# KiCad board BV1.2.kicad_pcb (continued)
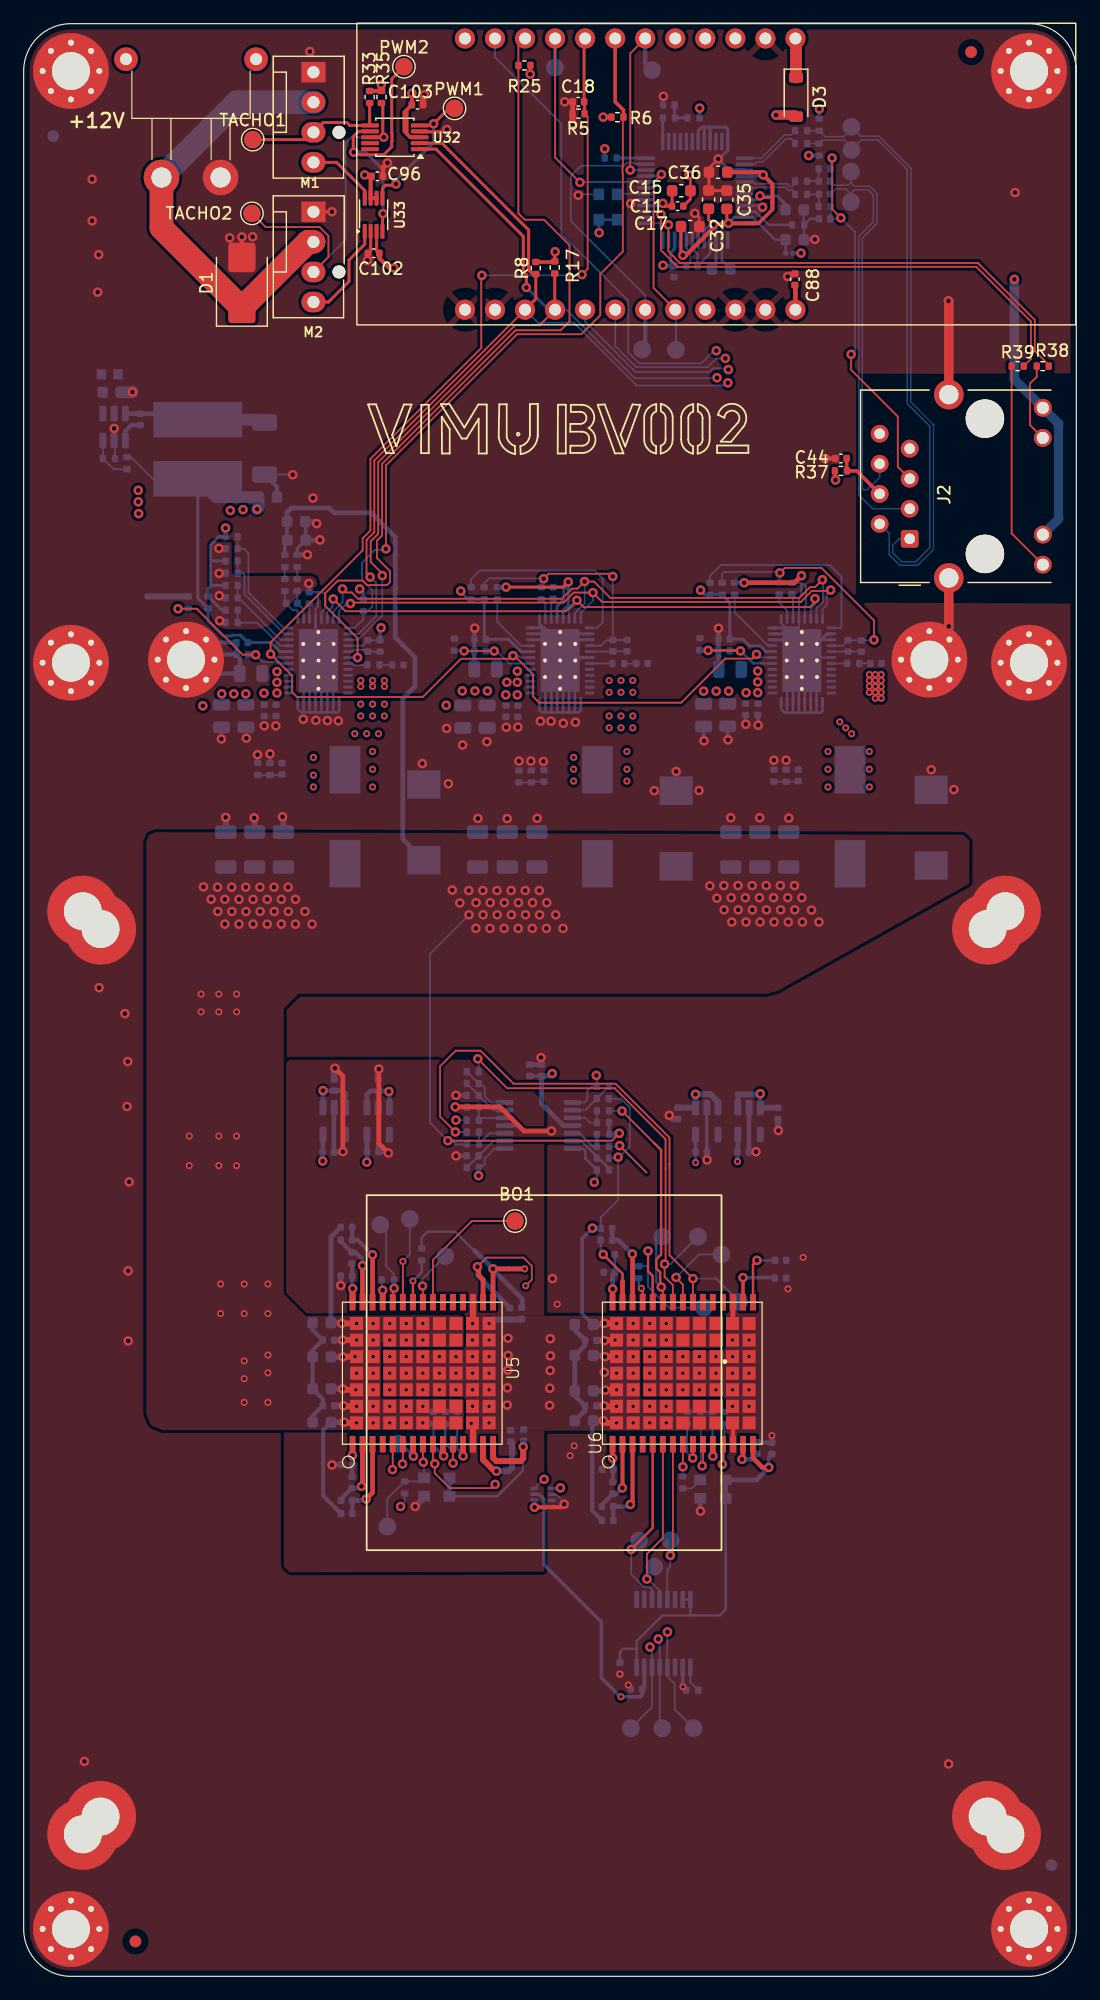
[diagram p0: board, top side]
## Library data of the parts (continued)
D3 = -: Sim.Device: D; Sim.Pins: 1=K 2=A; Distributor: D; OrderNr: 31-1N5819HWQ-7-FCT-ND; PARTNO: 1N5819HWQ-7-F; Manufacturer : Diodes Incorporated; ki_fp_filters: D*SMA*
FID1-FID4 = -: KiLib_Generator: fiducial
H1-H8 = -: Description: Mounting Hole with connection; ki_fp_filters: MountingHole*Pad*
J1 = -: PARTNO: XT30PW-M; LCSC: C431092; ki_fp_filters: Connector*:*_1x??_*
J2 = -: Datasheet: https://datasheet.lcsc.com/lcsc/1811141815_HANRUN-Zhongshan-HanRun-Elec-HR911105A_C12074.pdf; Description: 1 Port RJ45 Magjack Connector Through Hole 10/100 Base-T, AutoMDIX; ki_fp_filters: RJ45*Hanrun*HR911105A*
L4 L6 L7 = -: Datasheet: https://products.sumida.com/products/pdf/104CDMCCDS.pdf; Description: Inductor; PARTNO: SLC1175-301; ki_fp_filters: Choke_* *Coil* Inductor_* L_*
L5 = -: Datasheet: https://assets.ebee.com/datasheet/2512101426_cjiang-FTC201612S1R5MBCA_C5832350.pdf; Description: Inductor; PARTNO: FTC201612S1R5MBCA; ki_fp_filters: Choke_* *Coil* Inductor_* L_*
M1 M2 = -: Distributor: D; OrderNr: WM4330-ND; PARTNO: 0470531000; ki_fp_filters: FanPinHeader*P2.54mm*Vertical* PinHeader*P2.54mm*Vertical* TerminalBlock*
NT3-NT5 = -: Description: Net tie, 2 pins; ki_fp_filters: Net*Tie*
R4 R7 R12 R16 R19-R22 R26 R28 R32 R34 R36-R39 R43 R44 R47 R76 R77 R93 = -: Description: Resistor, US symbol; KiLib_Generator: SMD_2terminal_chip_molded; PARTNO: RC0402FR-071KL; LCSC: C106235; ki_fp_filters: R_*
R5 R6 R24 R41 R42 R48-R52 = -: Datasheet: https://www.yageo.com/upload/media/product/products/datasheet/rchip/PYu-RC_Group_51_RoHS_L_12.pdf; Description: Resistor, small US symbol; KiLib_Generator: SMD_2terminal_chip_molded; PARTNO: RC0402JR-0710KL; DK: 311-10KJRCT-ND; ki_fp_filters: R_*
R8 R17 = -: Description: Resistor; KiLib_Generator: SMD_2terminal_chip_molded; ki_fp_filters: R_*
R9 R11 = -: Description: Resistor, US symbol; KiLib_Generator: SMD_2terminal_chip_molded; LCSC: C60488; PARTNO: RC0402FR-072KL; ki_fp_filters: R_*
R13 R14 = -: Description: Resistor, small US symbol; KiLib_Generator: SMD_2terminal_chip_molded; PARTNO: RC0402FR-0752K3L; ki_fp_filters: R_*
R23 = -: Description: Resistor, small US symbol; KiLib_Generator: SMD_2terminal_chip_molded; PARTNO: RC0402FR-0720KL; DK: 311-20.0KLRCT-ND; ki_fp_filters: R_*
R25 = -: Description: Resistor, small US symbol; KiLib_Generator: SMD_2terminal_chip_molded; PARTNO: RC0402JR-074K7L; DK: 311-4.7KJRCT-ND; ki_fp_filters: R_*
R29-R31 R40 R53 R82 R85 R87 R90 R91 R96 R98 = -: Description: Resistor, US symbol; KiLib_Generator: SMD_2terminal_chip_molded; PARTNO: RC0402DR-0710KL; LCSC: C471764; ki_fp_filters: R_*
R33 R35 = -: KiLib_Generator: SMD_2terminal_chip_molded; Manufacturer : YAGEO; LCSC: C138017; PARTNO: RC0402FR-072K7L; ki_fp_filters: R_*
R46 R67 = -: Description: Resistor, US symbol; KiLib_Generator: SMD_2terminal_chip_molded; PARTNO: RC0402JR-070RL; ki_fp_filters: R_*
R54 R73 R78 R83 R84 R86 R92 R95 R97 = -: Datasheet: https://www.yageo.com/upload/media/product/products/datasheet/rchip/PYu-RC_Group_51_RoHS_L_12.pdf; Description: Resistor, small US symbol; KiLib_Generator: SMD_2terminal_chip_molded; PARTNO: RC0402FR-0710RL; DK: 311-10.0LRCT-ND; ki_fp_filters: R_*
R55 R58 R61 R64 R68-R72 = -: KiLib_Generator: SMD_2terminal_chip_molded; DK: 311-1.00KLRCT-ND; PARTNO: RC0402FR-071KL; ki_fp_filters: R_*
R56 R57 R59 R60 R62 R63 R65 R66 = -: KiLib_Generator: SMD_2terminal_chip_molded; DK: 311-10KJRCT-ND; PARTNO: RC0402JR-0710KL; ki_fp_filters: R_*
R79-R81 R88 R89 R94 = -: Datasheet: https://www.yageo.com/upload/media/product/products/datasheet/rchip/PYu-RC_Group_51_RoHS_L_12.pdf; Description: Resistor, small US symbol; KiLib_Generator: SMD_2terminal_chip_molded; PARTNO: RC0402FR-0749R9L; DK: 311-49.9LRCT-ND; ki_fp_filters: R_*
U1 = -: Distributor: -
U2 U8 U9 = -: Distributor: D; OrderNr: 1923-1664-1-ND; PARTNO: SX3M25.000E20F30THN; ki_fp_filters: Oscillator*SMD*Abracon*ASDMB*2.5x2.0mm*
U7 = -: Datasheet: https://www.ti.com/lit/ds/symlink/sn74axc4t774.pdf; KiLib_Generator: package/gullwing; DK: 296-SN74AXC4T774BQBRCT-ND; PARTNO: SN74AXC4T774BQBR
U10 U11 = -: Datasheet: https://ww1.microchip.com/downloads/en/DeviceDoc/22070a.pdf; KiLib_Generator: package/gullwing; DK: MCP1824T-1202E/OTCT-ND
U12 U13 = -: Datasheet: https://ww1.microchip.com/downloads/en/DeviceDoc/22070a.pdf; KiLib_Generator: package/gullwing; DK: MCP1824T-0802E/OTCT-ND; PARTNO: MCP1824T-0802E/OT
U14 = -: KiLib_Generator: package/gullwing
U15 = -: Datasheet: http://wizwiki.net/wiki/lib/exe/fetch.php/products:w5500:w5500_ds_v109e.pdf; Description: 10/100Mb SPI Ethernet controller with TCP/IP stack, LQFP-48; KiLib_Generator: package/gullwing; ki_fp_filters: LQFP*7x7mm*P0.5mm*
U17 = -: Datasheet: https://www.ti.com/lit/ds/symlink/tlv3542.pdf; KiLib_Generator: package/gullwing; DK: 296-45352-1-ND; PARTNO: TLV3544IPWR; ki_fp_filters: SOT*353*SC*70*
U18-U20 = -: DK: 296-TPS546D24ARVFRCT-ND; PARTNO: TPS546D24ARVFR
U30 = -: Distributor: X
U32 = -: KiLib_Generator: Microchip; Distributor: D; OrderNr: EMC2302-1-AIZL-CT-ND; PARTNO: EMC2302-1-AIZL-TR; Manufacturer : Microchip Tech; Field7: Microchip
U33 = -: KiLib_Generator: Texas Instruments; Distributor: D; OrderNr: 296-TXU0102DCURCT-ND; PARTNO: TXU0102DCUR; Manufacturer : Texas Instruments
U37 = -: Distributor: D; Manufacturer: TMP1075NDRLR; OrderNr: 296-TMP1075NDRLRCT-ND; PARTNO: TMP1075NDRLR; Manufacturer : Texas Instruments

## Footprints (pads in the part's own frame, mm; a bottom-side part is the same pattern mirrored in y, then rotated)
B1373CC
  rect 1.4x0.5 smd: 1(-0.097,-0.955) 2(-0.104,-1.799) 3(-0.104,-2.648) 4(-0.1,-3.506) 5(-0.1,-4.355) 6(-0.1,-5.212) 7(-0.1,-6.061) 8(-0.1,-6.905) 9(-0.1,-7.754) 10(-0.1,-8.6) 11(-0.1,-9.44) 12(-0.1,-10.3) 13(-0.1,-11.145) 14(-0.1,-11.99) 15(-0.1,-12.835) 16(11.9,-12.835) 17(11.9,-11.99) 18(11.9,-11.145) 19(11.9,-10.3) 20(11.9,-9.44) 21(11.9,-8.6) 22(11.9,-7.754) 23(11.9,-6.905) 24(11.9,-6.061) 25(11.9,-5.212) 26(11.9,-4.355) 27(11.9,-3.506) 28(11.896,-2.648) 29(11.896,-1.799) 30(11.903,-0.955)
  rect 1.1x1.1 smd: 31(1.7,-1.298) 31(1.7,-2.7) 31(1.7,-4.1) 31(1.7,-5.5) 31(1.7,-6.9) 31(1.7,-8.3) 31(1.7,-9.7) 31(3.1,-1.298) 31(3.1,-2.7) 31(3.1,-4.1) 31(3.1,-5.5) 31(3.1,-6.9) 31(3.1,-8.3) 31(3.1,-9.7) 31(4.5,-1.298) 31(4.5,-2.7) 31(5.9,-1.298) 31(5.9,-2.7) 31(7.3,-1.298) 31(7.3,-2.7) 31(8.7,-1.298) 31(8.7,-2.7) 31(8.7,-4.1) 31(8.7,-5.5) 31(8.7,-6.9) 31(8.7,-8.3) 31(8.7,-9.7) 31(10.1,-1.298) 31(10.1,-2.7) 31(10.1,-4.1) 31(10.1,-5.5) 31(10.1,-6.9) 31(10.1,-8.3) 31(10.1,-9.7) 32(1.7,-11.1) 32(1.7,-12.5) 32(3.1,-11.1) 32(3.1,-12.5) 32(4.5,-4.1) 32(4.5,-5.5) 32(4.5,-6.9) 32(4.5,-8.3) 32(4.5,-9.7) 32(4.5,-11.1) 32(4.5,-12.5) 32(5.9,-4.1) 32(5.9,-5.5) 32(5.9,-6.9) 32(5.9,-8.3) 32(5.9,-9.7) 32(5.9,-11.1) 32(5.9,-12.5) 32(7.3,-4.1) 32(7.3,-5.5) 32(7.3,-6.9) 32(7.3,-8.3) 32(7.3,-9.7) 32(7.3,-11.1) 32(7.3,-12.5) 32(8.7,-11.1) 32(8.7,-12.5) 32(10.1,-11.1) 32(10.1,-12.5)
C_0402_1005Metric
  rrect 0.56x0.62 smd: 1(-0.48,0) 2(0.48,0)
C_0603_1608Metric
  rrect 0.9x0.95 smd: 1(-0.775,0) 2(0.775,0)
C_0805_2012Metric
  rrect 1x1.45 smd: 1(-0.95,0) 2(0.95,0)
C_1206_3216Metric
  rrect 1.15x1.8 smd: 1(-1.475,0) 2(1.475,0)
D7.3xL4.3
  rect 2.4x2.8 smd: 1(0,0) 2(6.4,0)
D_0201_0603Metric
  rrect 0.318x0.36 smd: (-0.345,0) (0.345,0)
  rrect 0.46x0.4 smd: 1(-0.32,0) 2(0.32,0)
D_SMB
  rrect 2.5x2.3 smd: 1(-2.15,0) 2(2.15,0)
D_SOD-123
  rrect 0.9x1.2 smd: 1(-1.65,0) 2(1.65,0)
D_SOD-128
  rrect 1.4x2.1 smd: 1(-2.2,0) 2(2.2,0)
FanPinHeader_1x04_P2.54mm_Vertical
  round 1.1 hole 1.1 unplated: (5.08,2.16)
  rect 1.73x2.03 hole 1.02: 1(0,0)
  oval 1.73x2.03 hole 1.02: 2(2.54,0) 3(5.08,0) 4(7.62,0)
FB0603
  rect 0.8x0.864 smd: 1(-0.7,0) 2(0.7,0)
Fiducial_1mm_Mask2mm
  round 1 smd: (0,0)
L_Ferrocore_DLG-0703
  rect 3x7.5 smd: 1(-2.5,0) 2(2.5,0)
LQFN40-CLIP
  rrect 1.3x0.9 smd: (-0.9,-2.1) (-0.9,2.1) (0.9,-2.1) (0.9,2.1)
  rrect 1.4x0.95 smd: (-0.85,-0.7) (-0.85,0.7) (0.85,-0.7) (0.85,0.7)
  rrect 0.8x0.25 smd: 1(-2.5,2.75) 2(-2.5,2.25) 3(-2.5,1.75) 4(-2.5,1.25) 5(-2.5,0.75) 6(-2.5,0.25) 7(-2.5,-0.25) 8(-2.5,-0.75) 9(-2.5,-1.25) 10(-2.5,-1.75) 11(-2.5,-2.25) 12(-2.5,-2.75) 21(2.5,-2.75) 22(2.5,-2.25) 23(2.5,-1.75) 24(2.5,-1.25) 25(2.5,-0.75) 26(2.5,-0.25) 27(2.5,0.25) 28(2.5,0.75) 29(2.5,1.25) 30(2.5,1.75) 31(2.5,2.25) 32(2.5,2.75)
  rrect 0.25x0.8 smd: 13(-1.75,-3.5) 14(-1.25,-3.5) 15(-0.75,-3.5) 16(-0.25,-3.5) 17(0.25,-3.5) 18(0.75,-3.5) 19(1.25,-3.5) 20(1.75,-3.5) 33(1.75,3.5) 34(1.25,3.5) 35(0.75,3.5) 36(0.25,3.5) 37(-0.25,3.5) 38(-0.75,3.5) 39(-1.25,3.5) 40(-1.75,3.5)
  round 0.4 hole 0.3: 41(-1.28,-1.4) 41(-1.28,0) 41(-1.28,1.4) 41(0,-2.4) 41(0,-1.4) 41(0,0) 41(0,1.4) 41(0,2.4) 41(1.28,-1.4) 41(1.28,0) 41(1.28,1.4)
  rect 3.3x5.3 smd: 41(0,0)
LQFP-48_7x7mm_P0.5mm
  rrect 1.475x0.3 smd: 1(-4.162,2.75) 2(-4.162,2.25) 3(-4.162,1.75) 4(-4.162,1.25) 5(-4.162,0.75) 6(-4.162,0.25) 7(-4.162,-0.25) 8(-4.162,-0.75) 9(-4.162,-1.25) 10(-4.162,-1.75) 11(-4.162,-2.25) 12(-4.162,-2.75) 25(4.162,-2.75) 26(4.162,-2.25) 27(4.162,-1.75) 28(4.162,-1.25) 29(4.162,-0.75) 30(4.162,-0.25) 31(4.162,0.25) 32(4.162,0.75) 33(4.162,1.25) 34(4.162,1.75) 35(4.162,2.25) 36(4.162,2.75)
  rrect 0.3x1.475 smd: 13(-2.75,-4.162) 14(-2.25,-4.162) 15(-1.75,-4.162) 16(-1.25,-4.162) 17(-0.75,-4.162) 18(-0.25,-4.162) 19(0.25,-4.162) 20(0.75,-4.162) 21(1.25,-4.162) 22(1.75,-4.162) 23(2.25,-4.162) 24(2.75,-4.162) 37(2.75,4.162) 38(2.25,4.162) 39(1.75,4.162) 40(1.25,4.162) 41(0.75,4.162) 42(0.25,4.162) 43(-0.25,4.162) 44(-0.75,4.162) 45(-1.25,4.162) 46(-1.75,4.162) 47(-2.25,4.162) 48(-2.75,4.162)
MountingHole_3.2mm_M3_Pad_Via
  round 0.8 hole 0.5: 1(-2.4,0) 1(-1.697,1.697) 1(-1.697,-1.697) 1(0,2.4) 1(0,-2.4) 1(1.697,1.697) 1(1.697,-1.697) 1(2.4,0)
  round 6.4 hole 3.2: 1(0,0)
MSOP-10_3x3mm_P0.5mm
  rrect 1.5x0.35 smd: 1(-2.1,1) 2(-2.1,0.5) 3(-2.1,0) 4(-2.1,-0.5) 5(-2.1,-1) 6(2.1,-1) 7(2.1,-0.5) 8(2.1,0) 9(2.1,0.5) 10(2.1,1)
NetTie-2_SMD_Pad0.2mmx1mm
  round 0.2 smd: 1(-0.5,0) 2(0.5,0)
Oscillator_SMD_EuroQuartz_XO32-4Pin_3.2x2.5mm
  rect 0.9x1 smd: 1(-0.775,1.075) 2(-0.775,-1.075) 3(0.775,-1.075) 4(0.775,1.075)
R_0402_1005Metric
  rrect 0.54x0.64 smd: 1(-0.51,0) 2(0.51,0)
RJ45_Hanrun_HR911105A_Horizontal
  round 3.25 hole 3.25 unplated: (-1.275,-6.36) (10.155,-6.36)
  rrect 1.5x1.5 hole 0.89: 1(0,0)
  round 1.5 hole 0.89: 2(1.26,2.54) 3(2.54,0) 4(3.8,2.54) 5(5.08,0) 6(6.34,2.54) 7(7.62,0) 8(8.88,2.54)
  round 1.5 hole 1.02: 9(-2.185,-11.26) 10(0.355,-11.26) 11(8.525,-11.26) 12(11.065,-11.26)
  round 2.5 hole 1.63: SH(-3.305,-3.31) SH(12.185,-3.31)
SLC1175-271MEC_COC
  rect 4x2.6 smd: 1(-3.975,0) 2(3.975,0)
SOT-23-5
  rrect 1.325x0.6 smd: 1(-1.137,0.95) 2(-1.137,0) 3(-1.137,-0.95) 4(1.137,-0.95) 5(1.137,0.95)
SOT-23-6
  rrect 1.325x0.6 smd: 1(-1.137,0.95) 2(-1.137,0) 3(-1.137,-0.95) 4(1.137,-0.95) 5(1.137,0) 6(1.137,0.95)
T-Display-S3
  round 1.7 hole 1: 1(11.46,21.25) 2(11.46,18.71) 3(11.46,16.17) 4(11.46,13.63) 5(11.46,11.09) 6(11.46,8.55) 7(11.46,6.01) 8(11.46,3.47) 9(11.46,0.93) 10(11.46,-1.61) 11(11.46,-4.15) 12(11.46,-6.69) 13(-11.46,-6.69) 14(-11.46,-4.15) 15(-11.46,-1.61) 16(-11.46,0.93) 17(-11.46,3.47) 18(-11.46,6.01) 19(-11.46,8.55) 20(-11.46,11.09) 21(-11.46,13.63) 22(-11.46,16.17) 23(-11.46,18.71) 24(-11.46,21.25)
TestPoint_Pad_D1.5mm
  round 1.5 smd: 1(0,0)
TMP1075-DRL
  rrect 0.67x0.3 smd: 1(-0.74,0.5) 2(-0.74,0) 3(-0.74,-0.5) 4(0.74,-0.5) 5(0.74,0) 6(0.74,0.5)
TSSOP-14_4.4x5mm_P0.65mm
  rrect 1.475x0.4 smd: 1(-2.862,1.95) 2(-2.862,1.3) 3(-2.862,0.65) 4(-2.862,0) 5(-2.862,-0.65) 6(-2.862,-1.3) 7(-2.862,-1.95) 8(2.862,-1.95) 9(2.862,-1.3) 10(2.862,-0.65) 11(2.862,0) 12(2.862,0.65) 13(2.862,1.3) 14(2.862,1.95)
TSSOP-16_4.4x5mm_P0.65mm
  rrect 1.475x0.4 smd: 1(-2.862,2.275) 2(-2.862,1.625) 3(-2.862,0.975) 4(-2.862,0.325) 5(-2.862,-0.325) 6(-2.862,-0.975) 7(-2.862,-1.625) 8(-2.862,-2.275) 9(2.862,-2.275) 10(2.862,-1.625) 11(2.862,-0.975) 12(2.862,-0.325) 13(2.862,0.325) 14(2.862,0.975) 15(2.862,1.625) 16(2.862,2.275)
unnamed
  round 6 hole 3.2: (0,0)
unnamed#2
  round 6 hole 3.2: (-1,-2)
VSSOP-8_2.3x2mm_P0.5mm
  rrect 1.25x0.35 smd: 1(-1.4,0.75) 2(-1.4,0.25) 3(-1.4,-0.25) 4(-1.4,-0.75) 5(1.4,-0.75) 6(1.4,-0.25) 7(1.4,0.25) 8(1.4,0.75)
XT30PW-M
  round 3 hole 1.7: 1(-2.5,0) 2(2.5,0)
  round 2 hole 1: 3(-5.5,10) 4(5.5,10)

## Nets
1V2_0: C99.1 C182.1 C189.2 R40.1 U5.15 U5.16 U8.1 U8.4 U10.5
1V2_1: C20.2 C86.1 C161.1 C181.1 C190.2 U6.15 U6.16 U7.7 U7.8 U7.16 U9.1 U9.4 U11.5 U15.22
+3V3: C11.2 C15.1 C87.1 C88.1 C102.1 C103.1 FB2.2 J2.10 J2.12 R6.2 R7.1 R8.2 R9.2 R17.2 R22.1 R25.2 R26.1 R33.1 R35.1 R37.1 U2.1 U2.4 U7.15 U30.1 U30.13 U32.3 U33.3 U37.5
+5V: C71.2 C73.2 C96.1 C108.1 C134.2 C187.2 C188.2 C191.2 C192.2 C206.2 C207.2 D3.2 L5.2 R13.2 R82.1 R85.1 R87.2 R90.2 R96.1 R98.2 U10.1 U10.3 U11.1 U11.3 U12.1 U12.3 U13.1 U13.3 U17.4 U18.28 U19.28 U20.28 U33.6 U33.7
+12V: C54.2 C56.2 C57.2 C58.2 C59.2 C62.2 C63.2 C64.2 C66.2 C70.2 C72.2 C116.2 C148.2 C149.2 C150.2 D1.1 FB1.1 J1.1 M1.2 M2.2 R54.1 R73.1 R92.1 U18.21 U18.22 U18.23 U18.24 U18.25 U19.21 U19.22 U19.23 U19.24 U19.25 U20.21 U20.22 U20.23 U20.24 U20.25
/BM1373/0V8_0: C94.1 C180.1 C193.2 U5.14 U5.17 U12.5
/BM1373/0V8_1: C157.1 C179.1 C194.2 U6.14 U6.17 U13.5
/power1/AGND1: C81.1 NT3.2 R49.1 R50.1 R51.1 R52.1 U18.37
/power1/AGND2: C85.1 NT4.2 R53.2 U19.37
/power1/AGND3: C137.1 NT5.2 R91.2 U20.37
AVDD: C17.1 C30.1 C32.1 C34.1 C35.1 C36.1 C40.1 FB2.1 U15.4 U15.8 U15.11 U15.15 U15.17 U15.21
GND: C1.1 C17.2 C18.2 C20.1 C23.1 C25.1 C30.2 C32.2 C34.2 C35.2 C36.2 C37.1 C40.2 C44.1 C50.1 C54.1 C56.1 C57.1 C58.1 C59.1 C62.1 C63.1 C64.1 C66.1 C67.1 C69.1 C70.1 C71.1 C72.1 C73.1 C86.2 C87.2 C88.2 C89.2 C91.2 C95.2 C96.2 C97.2 C101.2 C102.2 C103.2 C105.2 C106.2 C108.2 C114.2 C115.2 C116.1 C117.2 C119.2 C121.1 C123.1 C127.2 C132.1 C134.1 C138.1 C148.1 C149.1 C150.1 C157.2 C161.2 C163.2 C165.2 C168.2 C171.1 C174.2 C176.2 C179.2 C181.2 C188.1 C190.1 C192.1 C194.1 C206.1 C207.1 D1.2 D2.2 H1.1 H2.1 H3.1 H4.1 H5.1 H6.1 H7.1 H8.1 J1.2 J2.SH M1.1 M2.1 NOREF. NOREF#2. NOREF#3. NOREF#4. NOREF#5. NOREF#6. NOREF#7. NOREF#8. NT3.1 NT4.1 NT5.1 R5.1 R11.1 R14.1 R23.1 R29.2 R43.2 R44.2 R47.2 R65.1 R78.1 R83.1 R84.1 R86.1 R89.1 R95.1 R97.1 U2.2 U6.13 U6.18 U6.32 U7.1 U7.2 U7.6 U7.10 U9.2 U11.2 U13.2 U14.2 U15.3 U15.9 U15.14 U15.16 U15.19 U15.29 U15.43 U15.44 U15.45 U15.48 U17.11 U18.13 U18.14 U18.15 U18.16 U18.17 U18.18 U18.19 U18.20 U18.36 U18.41 U19.2 U19.3 U19.6 U19.13 U19.14 U19.15 U19.16 U19.17 U19.18 U19.19 U19.20 U19.30 U19.31 U19.32 U19.33 U19.36 U19.41 U20.2 U20.3 U20.6 U20.13 U20.14 U20.15 U20.16 U20.17 U20.18 U20.19 U20.20 U20.30 U20.31 U20.32 U20.33 U20.36 U20.41 U30.11 U30.14 U30.15 U30.23 U30.24 U32.4 U33.2 U37.2 U37.4
VDD: C28.2 C52.2 C89.1 C90.1 C91.1 C95.1 C97.1 C101.1 C105.1 C106.1 C114.1 C115.1 C117.1 C119.1 C121.2 C123.2 C138.2 C164.1 C167.1 C173.1 C175.1 C178.2 L4.2 L6.2 L7.2 R56.2 R59.1 R62.1 R88.1 U5.31
VDD1: C23.2 C28.1 C50.2 C52.1 C94.2 C99.2 C107.2 C153.1 C164.2 C165.1 C167.2 C168.1 C173.2 C174.1 C175.2 C176.1 C180.2 C182.2 C185.2 C187.1 C189.1 C191.1 C193.1 C195.1 R28.2 R32.2 R34.2 R55.2 R58.2 R61.2 R64.2 U5.13 U5.18 U5.32 U6.31 U8.2 U10.2 U12.2
/BM1373/BO: R70.1 U5.9 U17.8
/BM1373/CI: CI2.1 U6.6 U7.4
/BM1373/CLKO: R46.1 U6.8
/BM1373/CLKO2: CLKI1.1 R67.2 U5.8 U8.3
/BM1373/CO: R68.1 U5.6 U17.1
/BM1373/Level Shifter/BI: BO2.1 R63.1 U6.22
/BM1373/Level Shifter/CI: CO2.1 R57.1 U6.25
/BM1373/Level Shifter/CLKI: CLKO2.1 R67.1 U6.23
/BM1373/Level Shifter/NRSTI: R31.1 R60.1 RSTO2.1 U6.26
/BM1373/Level Shifter/RO: R72.1 RI2.1 U6.24
/BM1373/NRSTO: R69.1 U5.5 U17.7
/BM1373/RESET: RESET1.1 U7.14 U30.2
/BM1373/RI: R66.1 RO1.1 U5.7
/BM1373/RO: RO2.1 U6.7 U7.5
/BM1373/RST_N: RSTI2.1 U6.5 U7.3
/BM1373/RXD: RXD1.1 U7.12 U30.20
/BM1373/TXD: TXD1.1 U7.13 U30.19
/power1/BCX_CLK: U18.39 U19.39 U20.39
/power1/BCX_DAT: U18.40 U19.40 U20.40
/power1/M_BP1V5: C93.2 C104.2 R24.2 R41.2 R42.2 R48.2 R87.1 U18.4
/power1/PWR_EN: C18.1 R5.2 U18.27 U19.27 U20.27 U30.5
/power1/S1_BP1V5: C100.2 C109.2 R79.2 R90.1 U19.4
/power1/S2_BP1V5: C139.2 C141.2 R94.2 R98.1 U20.4
/power1/SYNC: U18.38 U19.38 U20.38
/T-Display-S3/LDO_EN: U30.8
/T-Display-S3/MISO: MISO1.1 U15.34 U30.7
/T-Display-S3/MOSI: MOSI1.1 U15.35 U30.18
/T-Display-S3/SCL: R8.1 U18.2 U30.22 U32.2 U37.1
/T-Display-S3/SCLK: SCLK1.1 U15.33 U30.17
/T-Display-S3/SCSN: SCSN1.1 U15.32 U30.4
/T-Display-S3/SDA: R17.1 U18.3 U30.21 U32.1 U37.6
/T-Display-S3/SMB_ALRT: R25.1 U18.6 U30.3
/T-Display-S3/TACHO1: M1.3 R33.2 TACHO1.1 U32.6
/T-Display-S3/TACHO2: M2.3 R35.2 TACHO2.1 U32.8
/T-Display-S3/W5500/ACTLED: R39.2 U15.27
/T-Display-S3/W5500/LINKLED: R38.2 U15.25
mm: R31.2 U6.27
NC: U6.4
PGOOD: R6.1 R82.2 U18.1 U30.6
Net-(C1-Pad2): C1.2 R4.1 R7.2
Net-(C42-Pad2): C42.2 R20.2 R21.1
Net-(C43-Pad2): C43.2 R19.2 R36.1
Net-(C77-Pad1): C77.1 R76.2
Net-(C77-Pad2): C77.2 C79.2 L4.1 U18.8 U18.9 U18.10 U18.11 U18.12
Net-(C78-Pad1): C78.1 R77.2
Net-(C78-Pad2): C78.2 C80.2 L6.1 U19.8 U19.9 U19.10 U19.11 U19.12
Net-(C79-Pad1): C79.1 R78.2 R84.2
Net-(C80-Pad1): C80.1 R83.2 R86.2
Net-(C135-Pad1): C135.1 R93.2
Net-(C135-Pad2): C135.2 C136.2 L7.1 U20.8 U20.9 U20.10 U20.11 U20.12
Net-(C136-Pad1): C136.1 R95.2 R97.2
Net-(D3-K): D3.1 U30.12
Net-(J2-Pad9): J2.9 R39.1
Net-(J2-Pad11): J2.11 R38.1
Net-(J2-RCT): C37.2 J2.5 R21.2 R36.2
Net-(J2-RD+): C42.1 J2.3 RD+1.1
Net-(J2-RD-): C43.1 J2.6 RD-1.1
Net-(J2-TCT): C44.2 J2.4 R37.2
Net-(J2-TD+): J2.1 R16.2 R26.2 TXP1.1
Net-(J2-TD-): J2.2 R12.2 R22.2 TXN1.1
Net-(M1-PWM): M1.4 U33.8
Net-(M2-PWM): M2.4 U33.1
Net-(R30-Pad1): R30.1 U5.27
Net-(R32-Pad1): R32.1 U5.12
Net-(R47-Pad1): R47.1 U6.12
Net-(R71-Pad1): R71.1 R72.2 U17.14
Net-(R80-Pad1): R80.1 R88.2
Net-(R81-Pad2): R81.2 R89.2
Net-(U5-BO): BO1.1 U5.22
Net-(U5-CLKO): CLKO1.1 U5.23
Net-(U5-CO): CO1.1 U5.25
Net-(U5-LITE_PAD): R34.1 U5.10
Net-(U5-PIN_MODE): R28.1 U5.11
Net-(U5-RI): R40.2 U5.24
Net-(U5-RST): R30.2 RSTO1.1 U5.26
Net-(U5-VDD1_0): C98.2 C107.1 U5.1
Net-(U5-VDD1_1): C186.1 C195.2 U5.30
Net-(U5-VDD2_0): C92.2 C98.1 U5.2
Net-(U5-VDD2_1): C184.1 C186.2 U5.29
Net-(U5-VDD3_0): C90.2 C92.1 U5.3
Net-(U5-VDD3_1): C178.1 C184.2 U5.28
Net-(U6-BI): R29.1 U6.9
Net-(U6-LITE_PAD): R43.1 U6.10
Net-(U6-PIN_MODE): R44.1 U6.11
Net-(U6-VDD1_0): C159.2 C163.1 U6.1
Net-(U6-VDD1_1): C171.2 C177.1 U6.30
Net-(U6-VDD2_0): C155.2 C159.1 U6.2
Net-(U6-VDD2_1): C177.2 C183.1 U6.29
Net-(U6-VDD3_0): C153.2 C155.1 U6.3
Net-(U6-VDD3_1): C183.2 C185.1 U6.28
Net-(U7-OE): R23.2 U7.9
Net-(U9-Out): R46.2 U9.3
Net-(U14-BS): C22.2 U14.1
Net-(U14-EN): C127.1 FB1.2 U14.4 U14.5
Net-(U14-FB): R13.1 R14.2 U14.3
Net-(U14-SW): C22.1 D2.1 L5.1 U14.6
Net-(U15-EXRES1): R11.2 U15.10
Net-(U15-RXN): R19.1 U15.5
Net-(U15-RXP): R20.1 U15.6
Net-(U15-TOCAP): C25.2 U15.20
Net-(U15-TXN): R12.1 U15.1
Net-(U15-TXP): R16.1 U15.2
Net-(U15-VDD): C11.1 C15.2 U15.28
Net-(U15-XI/CLKIN): U2.3 U15.30
Net-(U15-~{INT}): R9.1 U15.36
Net-(U15-~{RST}): R4.2 U15.37
Net-(U17A-+): R56.1 R57.2 U17.3
Net-(U17A--): R55.1 R68.2 U17.2
Net-(U17B-+): R59.2 R60.2 U17.5
Net-(U17B--): R58.1 R69.2 U17.6
Net-(U17C-+): R62.2 R63.2 U17.10
Net-(U17C--): R61.1 R70.2 U17.9
Net-(U17D-+): R65.2 R66.2 U17.12
Net-(U17D--): R64.1 R71.2 U17.13
Net-(U18-ADRSEL): R42.1 R49.2 U18.31
Net-(U18-AVIN): C67.2 R54.2 U18.26
Net-(U18-BOOT): R76.1 U18.7
Net-(U18-DRTN): C93.1 C104.1 U18.5
Net-(U18-GOSNS/SLAVE): C76.1 R81.1 U18.34
Net-(U18-MSEL1): R24.1 R51.2 U18.32
Net-(U18-MSEL2): R48.1 R52.2 U18.29
Net-(U18-VOSNS): C76.2 R80.2 U18.33
Net-(U18-VSEL): R41.1 R50.2 U18.30
Net-(U18-VSHARE): C81.2 U18.35
Net-(U19-AVIN): C69.2 R73.2 U19.26
Net-(U19-BOOT): R77.1 U19.7
Net-(U19-DRTN): C100.1 C109.1 U19.5
Net-(U19-GOSNS/SLAVE): R79.1 U19.34
Net-(U19-MSEL2): R53.1 U19.29
Net-(U19-PGD/~RST): R85.2 U19.1
Net-(U19-VSHARE): C85.2 U19.35
Net-(U20-AVIN): C132.2 R92.2 U20.26
Net-(U20-BOOT): R93.1 U20.7
Net-(U20-DRTN): C139.1 C141.1 U20.5
Net-(U20-GOSNS/SLAVE): R94.1 U20.34
Net-(U20-MSEL2): R91.1 U20.29
Net-(U20-PGD/~RST): R96.2 U20.1
Net-(U20-VSHARE): C137.2 U20.35
Net-(U32-PWM1): PWM1.1 U32.5 U33.5
Net-(U32-PWM2): PWM2.1 U32.7 U33.4

Pads without a net: J1 3 4; J2 7 8; U5 4 19 20 21; U6 19 20 21; U7 11; U10 4; U11 4; U12 4; U13 4; U15 7 12 13 18 23 24 26 31 38 39 40 41 42 46 47; U30 9 10 16; U32 9 10; U37 3

## Via types
v1: diameter 0.8, hole 0.4, Top to Bottom, 401 vias
v2: diameter 0.6, hole 0.3, Top to Bottom, 205 vias

## Routing (per net, layer and track width the routed paths; a pad name or vN(x,y) marks a point on that pad's centre or on a via; arc(x,y) is an arc through that point)
1V2_0: length 71.6
  Top w0.2: v1(42.23,44.74) 42.23,44.31 42.22,44.3
  Top w0.4: U5.16 39.69,59.78 v1(39.68,59.78) v2(42.36,59.78)
  Top w0.508: U5.15 39.69,43.81 39.96,43.54 42.01,43.54 42.23,43.76 v1(42.23,44.74)
  In1.Cu w0.15: 29.31,68.8 36.57,61.54 37.92,61.54 v1(39.68,59.78)
  In1.Cu w0.4: v1(42.23,44.74) 43.15,45.66 43.15,58.99 v2(42.36,59.78)
  Bottom w0.2: v1(39.68,59.78) 39.62,59.78 36.47,62.92 34.15,62.92 33.65,62.42 R40.1 ; U8.1 40.03,40.56 42.21,42.74 42.21,44.26 42.23,44.29 v1(42.23,44.74) 42.23,44.36
  Bottom w0.4: v1(39.68,59.78) 38.12,61.34 ; v1(39.68,59.78) 42.29,59.78 ; v1(39.68,59.78) 39.68,59.72 42.15,57.25 42.15,56.51 ; U10.5 29.03,71.12 C189.2 29.03,68.82 v1(29.01,68.8) ; U8.4 U8.1
1V2_1: length 166
  Top w0.2: v1(62,60.5) 61.67,60.17 U6.16
  Top w0.4: v1(63,43) 62.47,43 61.67,43.8 U6.15
  In1.Cu w0.3: v1(63,43) 66.5,46.5 66.5,58.5 64.5,60.5 v1(62,60.5) 61.32,61.18 61.32,64.9 60.35,65.87 v2(60.35,68.85)
  In1.Cu w0.35: v1(54.05,144.58) 54.05,144.56 53.74,144.25 53.75,144.24 53.75,140.33 56.77,137.32 56.77,135.87 58.31,134.33 58.34,134.33 62.5,130.16 62.5,125.97 68.7,119.77 ; 68.57,119.9 68.8,119.67 68.8,119.65 68.98,119.48 68.98,107.43 73.16,103.24 73.16,89.74 70.03,86.61 70.03,78.87 61.16,69.99 61.16,69.98 60.35,69.17 v2(60.35,68.85)
  Bottom w0.2: v1(62,60.5) C181.1 ; 56.5,30.5 56.37,30.63 U7.8 U7.7 ; 56.5,30.5 54,30.5 51.82,28.32 51.82,27.68 ; 56.5,30.5 58.85,30.5 59.35,31 59.35,40.4 ; U7.16 51.82,27.68 ; 51.82,27.68 50.68,27.68 50.41,27.41 C86.1
  Bottom w0.254: 55.03,146.72 55.03,145.98 54.71,145.65 54.71,144.81 C20.2
  Bottom w0.3: v1(63,43) 63,43.9 C161.1
  Bottom w0.35: C20.2 54.09,144.54 v1(54.05,144.58)
  Bottom w0.4: 59.35,40.4 U9.4 61.94,41.94 v1(63,43) ; v2(60.35,68.85) C190.2 60.38,69.69 U11.5
+3V3: length 197.1
  Top w0.203: C15.1 56.38,152.09 v1(56.25,152.21)
  Top w0.254: C15.1 56.38,150.19 C11.2 ; C103.1 32.41,157.74 32.41,155.66 32.67,155.4 33.5,155.4 ; R25.2 42.85,160.75 v1(42.83,160.73) ; C102.1 29.84,145.83 U33.3
  Top w0.3: v1(44.93,145.73) 44.9,145.7 R17.2 44.85,144.86 R8.2 ; U32.3 32.69,155.4 32.19,155.9 32.19,157.52 C103.1 v1(32.82,159.12) ; R6.2 v1(49,157.1) ; 30.43,144.82 30.43,144.81 30.88,144.36 v1(31.3,144.36)
  Top w0.35: v1(30.24,159.86) 30.24,159.32 R35.1 R33.1 ; 30.43,144.82 30.07,145.18 C102.1 ; R37.1 68.59,126.49 v1(68.64,126.44)
  Top w0.4: U30.13 65.25,142.87 C88.1
  In1.Cu w0.3: J2.10 87.25,120.75 87.25,118.84 80.78,112.37 80.78,108.85 75.37,103.44 75.37,88.9 72.18,85.71 72.18,43.98 61.07,32.87 61.07,32.87 58.49,30.29 58.49,24.5 57.61,23.62 v2(50.5,23.62)
  Bottom w0.203: FB2.2 65.71,145.6 v1(65.72,145.61)
  Bottom w0.254: v1(57.15,157.86) 57.14,157.85 R7.1 ; v1(49.13,154.43) 49.12,154.42 R9.2 ; U2.4 U2.1 48.64,147.34 v1(48.65,147.33)
  Bottom w0.3: U37.5 43.59,40.73 43.99,40.33 43.99,34.79 48.84,29.94 48.84,25.23 50.45,23.62 v2(50.5,23.62) 52.15,23.62 52.3,23.77 C87.1
  Bottom w0.35: C87.1 52.47,24.43 U7.15 ; R22.1 67.26,157.79 v1(67.27,157.8) ; R26.1 66.38,153.85 v1(66.37,153.86)
  Bottom w0.8: J2.10 87.5,123.15 87.5,131.21 J2.12 83.76,134.94 v1(83.76,143.39)
+5V: length 373.8
  Top w0.35: U33.6 U33.7 29.34,152.02 C96.1
  Top w0.4: v1(28.83,152.22) 28.95,152.1 C96.1
  Top w0.8: v1(63.61,157.28) 65.17,157.28 D3.2
  In1.Cu w0.254: v1(36.96,117.06) 37.67,117.78 37.67,124.5 ; v1(57.23,117.13) 57.23,123.33 58.07,124.17
  In1.Cu w0.3: 27.42,123.84 27.42,118.22 v1(28.41,117.23)
  In1.Cu w0.8: v1(63.61,157.28) 61.73,155.4 49.54,155.4 49.54,155.41 48.72,155.41 48.72,155.4 36.51,155.4 35.33,154.22 30.35,154.22 28.83,152.69 v1(28.83,152.22) 28.08,151.47 28.08,124.5
  In1.Cu w1: 21.23,123.84 18.65,123.84 v1(18.55,123.94) 17.55,123.94 v1(17.48,123.87) ; 21.23,123.84 19.88,123.84 v1(19.74,123.98) ; 21.23,123.84 27.42,123.84 28.08,124.5 57.74,124.5 58.07,124.17
  In1.Cu w1.5: v1(25.31,74.85) 24.38,74.85 30.8,74.85 v1(30.88,74.77) 32.06,75.95 44.69,75.95 46.2,77.46 53.88,77.46 v1(56.8,74.53) 62.23,74.53 v1(62.28,74.58) 68.91,81.21 68.91,87.16 68.99,87.16 72.04,90.2 72.04,93.23 69.86,95.41 12.48,95.41 9.11,98.78 9.11,122.99 v1(9.72,123.6) 9.72,125.54 v1(9.69,125.57)
  Bottom w0.152: R13.2 9.08,128.37 10.91,126.54 L5.2
  Bottom w0.254: v1(57.23,117.13) 57.23,117.05 57.54,116.74 R96.1 R98.2 59.7,116.09 C134.2 60.79,113 61.38,112.41 62.28,112.41 62.75,111.94 U20.28 ; U18.28 21.66,111.94 20.89,112.71 C71.2 18.39,113.27 18.37,113.27 18.32,113.32 17.66,113.32 17.61,113.27 16.85,113.27 15.59,114.53 R87.2 14.72,116.46 L5.2 ; v1(36.96,117.06) 36.96,116.99 37.59,116.36 R85.1 R90.2 38.94,113.24 39.07,113.11 C73.2 40.99,112.98 42.03,111.94 U19.28
  Bottom w0.3: C207.2 C206.2 ; R82.1 28.72,116.92 v1(28.41,117.23) ; v1(25.31,74.85) 25.31,74.6 ; 30.88,73.45 U10.3
  Bottom w0.4: v1(62.28,74.58) U11.3 ; U10.1 29.02,74.51 29.32,74.81 C187.2 30.65,74.81 30.92,74.54 U10.3 ; U11.1 60.38,74.53 ; U12.3 27.21,74.54 27.22,74.55 27.22,74.58 26.95,74.85 26.94,74.84 C191.2 25.55,74.84 25.31,74.6 U12.1 ; U17.4 45.63,71.89 43.78,73.75 C206.2 44.46,76.08 44.66,76.28 v1(44.69,76.28)
  Bottom w0.508: 60.38,74.53 62.22,74.53 v1(62.28,74.58) ; C188.2 62.3,73.39 U11.3 ; U13.3 58.7,73.91 58.08,74.53 v1(56.8,74.53) U13.1 56.8,73.4 C192.2
  Bottom w1: L5.2 16.27,124.99 C108.1 19.86,124.1 v1(19.74,123.98)
  vias: v1(9.69,124.6)
+12V: length 41.2
  Top w2: J1.1 11.65,147.75 D1.1 18.45,140.97 24.04,146.56 M2.2
  Bottom w0.152: 18.79,108.36 v1(18.78,108.37)
  Bottom w0.508: 10.46,116.62 10.48,116.6 R54.1
  Bottom w2: J1.1 18.01,158.36 M1.2
  vias: v1(15.15,107.36) v1(16.75,108.37) v1(17.77,108.37) v1(20.32,108.43) v1(21.42,110.25) v1(21.42,109.34) v1(21.42,108.44) v1(35.73,107.4) v1(37.09,108.62) v1(38.15,108.62) v1(39.21,108.62) v1(40.85,109.35) v1(40.76,108.29) v1(41.74,110.29) v1(41.74,109.35) v1(41.74,108.29) v1(57.49,108.6) v1(58.55,108.6) v1(59.61,108.6) v1(61.08,108.47) v1(62.06,110.29) v1(62.06,109.38) v1(62.06,108.47)
/BM1373/0V8_0: length 58.6
  Top w0.15: v1(38.36,59.96) 39.13,60.73 42.26,60.73 42.96,60.03 42.96,58.86 v2(42.45,58.35)
  Top w0.4: v1(38.36,59.96) 38.47,59.86 38.47,59.24 38.84,58.87 U5.17
  Top w0.508: v1(39.97,42.69) 39.95,42.66 39.84,42.66 38.84,43.66 U5.14
  In1.Cu w0.15: v1(38.36,59.96) 37.64,59.24 34.93,59.24 v1(25.28,68.89) ; v2(42.45,58.35) 42.45,45.91 39.97,43.43 v1(39.97,42.69)
  Bottom w0.4: v1(25.28,68.89) 25.27,68.9 C193.2 25.31,69.68 U12.5 ; 38.36,59.41 v1(38.36,59.96) 38.37,59.96 38.37,59.24 41.15,56.46
  Bottom w0.508: 41.29,44.62 41.29,44.81 ; 41.29,44.81 41.29,45.06 C94.1 ; 41.29,44.81 41.29,42.98 41,42.69 v1(39.97,42.69)
/BM1373/0V8_1: length 46.6
  Top w0.3: U6.17 60.82,59.04 v1(60.82,59.04)
  Top w0.4: v1(60.73,43.69) 60.82,43.78 U6.14
  In1.Cu w0.3: 56.8,68.71 56.8,68.75 ; v1(60.82,59.04) 60.82,60 ; 60.82,60 60.82,59.72 61.5,59.04 ; 60.82,60 56.81,64.01 v2(56.81,68.76)
  In1.Cu w0.4: 61.5,59.04 v1(60.82,59.04) 64.96,59.04 65.95,58.05 65.95,46.95 63,44 61.04,44 v1(60.73,43.69)
  Bottom w0.3: U13.5 56.8,69.68 ; C179.1 63.46,59.04 v1(60.82,59.04) 60.87,59.09 ; C194.2 v2(56.81,68.76) 56.8,68.75
  Bottom w0.4: C157.1 61.52,43.69 v1(60.73,43.69)
/power1/AGND1: length 6.8
  Bottom w0.152: U18.37 25.17,115.27 25.52,115.62 25.52,116.74 25.29,116.97 24.17,116.97 C81.1
  Bottom w0.254: v1(24.11,117.69) 24.15,117.65 C81.1 ; R51.1 16.53,120.64 v1(16.51,120.66) ; R52.1 16.63,114.39 16.52,114.5 v1(16.57,114.55) ; v1(16.54,116.66) 16.72,116.48 R50.1 ; R49.1 16.55,118.57 v1(16.53,118.55)
/power1/AGND2: length 10.9
  Top w0.254: v1(46.04,117.83) 45.6,117.39 v1(40.78,117.39)
  Bottom w0.152: 40.77,117.38 v1(40.78,117.39) ; 45.61,117.37 NT4.2
  Bottom w0.254: U19.37 45.61,115.42 46.07,115.88 46.07,117.22 ; v1(46.04,117.83) 46.07,117.8 46.07,117.22 ; 46.07,117.22 45.96,117.33 NT4.2 ; C85.1 45.61,117.37
  Bottom w0.3: R53.2 40.77,117.38
/power1/AGND3: length 11.1
  Top w0.4: v1(65.76,118.36) 65.16,117.76 v1(60.92,117.76)
  Bottom w0.152: U20.37 66.04,115.78 66.15,115.89 66.15,117.46 65.94,117.67 NT5.2 65.68,117.75 C137.1 65.15,117.75
  Bottom w0.35: R91.2 v1(60.92,117.76)
  Bottom w0.4: 65.15,117.75 v1(65.76,118.36)
AVDD: length 42.4
  Top w0.254: 63.3,150.31 62.39,150.31 v1(62.25,150.44) ; v1(59.59,148.13) 59.45,148.27 C35.1 ; v1(58.32,148.02) 57.91,148.43 C32.1 ; v1(55.73,145.44) 55.58,145.59 55.58,147.86
  Top w0.3: 63.3,149.3 62.13,148.13 61.61,148.13
  Top w0.35: v1(55.73,145.44) 56,145.44 58.27,147.71 58.27,147.97 v1(58.32,148.02) 58.37,148.07 59.53,148.07 v1(59.59,148.13) 61.92,148.13 ; C36.1 62.29,152.45 v1(62.52,152.22) 63.3,151.44 63.3,149.3
  Bottom w0.203: FB2.1 64.43,146.73 C40.1 63.53,146.74 61.64,148.63 U15.11
  Bottom w0.254: v1(62.52,152.22) 62.43,152.13 U15.4 ; C30.1 58.53,144.59 58.53,147.81 v1(58.32,148.02) 58.06,148.02 57.53,147.49 57.53,146.72 ; U15.8 61.94,150.13 v1(62.25,150.44) 63.7,150.44 64.4,149.75 C34.1 ; U15.11 60.09,148.63 v1(59.59,148.13) ; 55.53,146.72 55.53,145.64 v1(55.73,145.44)
